# EAGLE board Mk4 Final a Panel score (EAGLE 9.0.1), part 13 of 24 (continued)
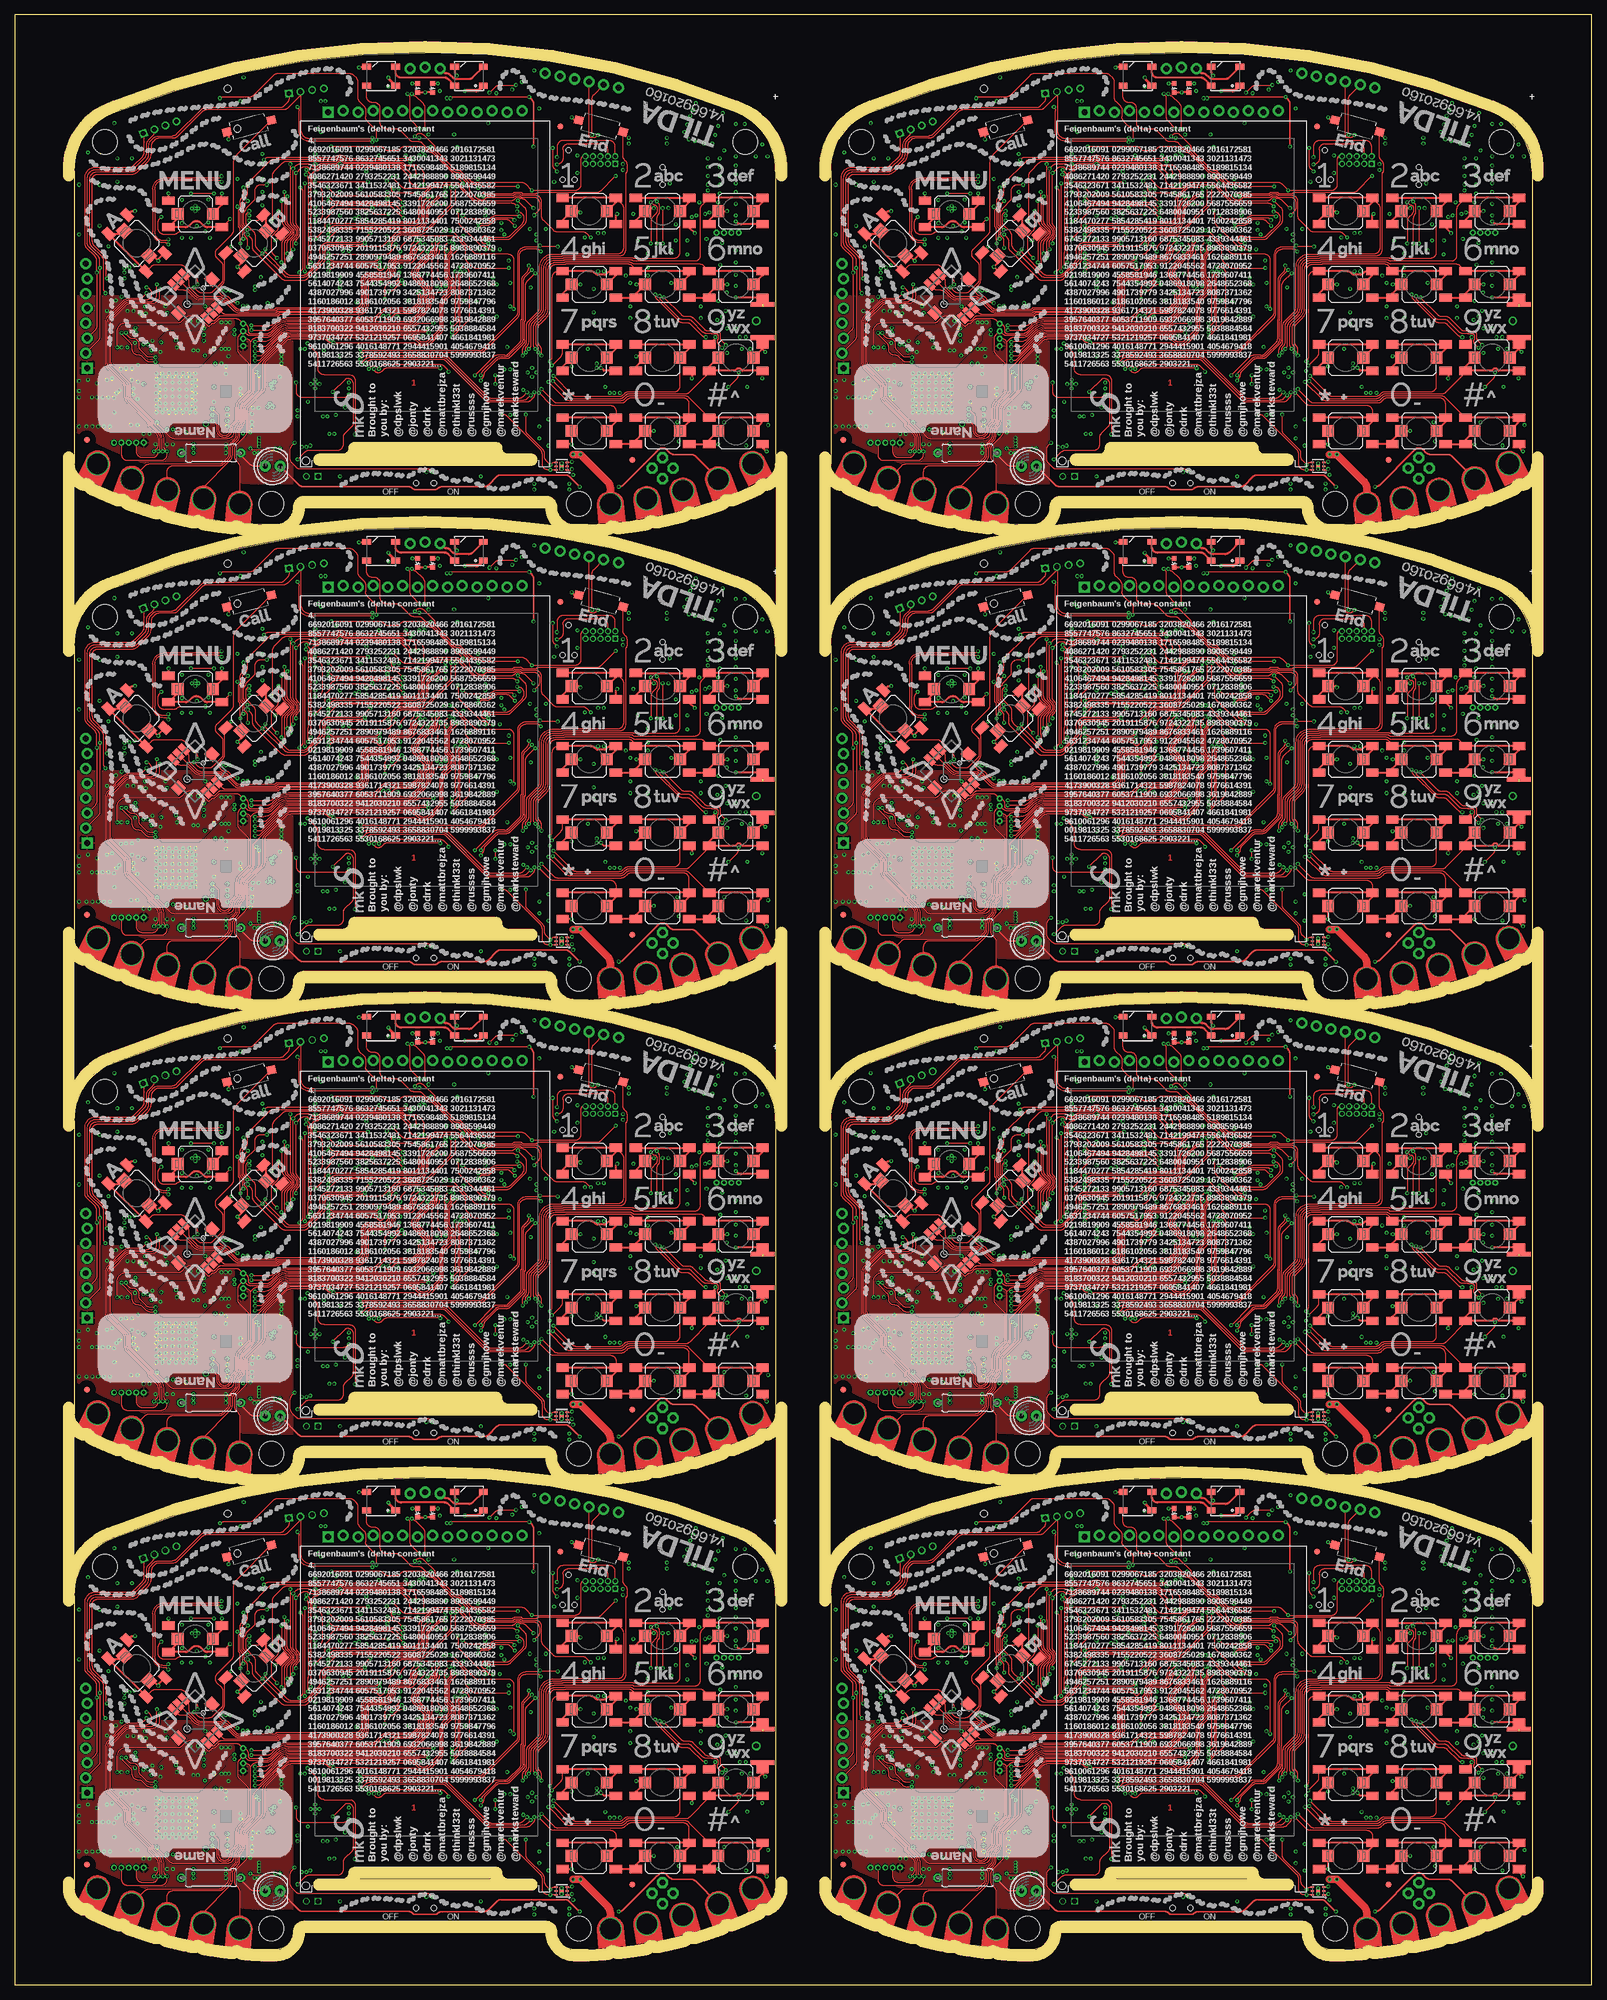
[diagram p0: board, top side]
## Tracks (layer width: path | path; a pad name or v marks a point on that pad's centre or on a via) (continued)
I2C4_SCL7  (via drill 0.3)
  Top 0.15: v203,275.1 203,275.3 202.29,276.01 arc45 201.59,276.3 192.21,276.3 arc45 191.51,276.01 v191.1,275.6 190.78,275.92 arc90 189.72,275.92 v189.4,275.6 | v216.2,267.8 216.2,265.14 arc45 216.49,264.43 219.01,261.92 arc-45 219.3,261.21 219.3,260.71 arc45 219.59,260.01 v220.35,259.25 220.46,259.36 arc-45 221.16,259.65 IC142.4
  3V3@2 0.15: v186,295.7 185.3,296.4 185.3,300.8 185.55,301.05 185.55,303.55 186,304 188,304 190.4,306.4 192.95,306.4 193.5,305.85 194.05,305.85 194.5,306.3 v194.5,306.4
  Bottom 0.15: IC132.5 181,275.3 arc-90 182,276.3 184.38,276.3 arc-45 185.27,275.93 185.51,275.69 arc45 186.21,275.4 189.12,275.4 arc45 189.26,275.46 v189.4,275.6 | IC139.19 213.75,273.75 | IC140.1 215.25,270.5 215.28,270.52 | 215.28,270.52 arc90 215.28,271.23 214.04,272.46 arc-45 213.75,273.16 213.75,273.75 | 213.75,273.75 211.16,273.75 arc-45 210.46,274.04 209.69,274.81 arc45 208.99,275.1 v203,275.1 | v191.1,275.6 190.7,276 190.7,279.38 arc45 190.33,280.27 185.99,284.61 arc-45 185.7,285.31 185.7,294.99 arc-45 v185.99,295.69 v186,295.7 186.05,295.75 R572.1 | v216.2,267.8 216.2,269.39 arc45 216.05,269.75 215.28,270.52 | IC128.61 193.69,307 arc-45 194.05,306.85 v194.5,306.4 | IC143.6 219.72,257.88 arc45 219.7,257.95 219.63,258.02 arc-45 219.6,258.09 219.6,258.29 arc-45 219.75,258.65 v220.35,259.25
I2C4_SDA  (via drill 0.3)
  Top 0.15: v82,30 v82,31.5 | v72.58,32.7 63.54,32.7 arc45 62.83,32.41 62.55,32.13 arc-45 62,31.9 arc-90 v61.3,32.6 | IC17.6 v91.35,15.35 91,15.35 arc-90 90,16.35 90,18.09 arc45 89.71,18.79 83.99,24.51 arc45 83.29,24.8 v82.8,24.8
  3V3@2 0.15: v56,52.7 56,58 56.25,58.25 56.25,60.75 57,61.5 59,61.5 61.25,63.75 64.35,63.75 v64.7,63.4
  Bottom 0.15: IC8.6 arc-90 53.45,33 55.36,33 arc-45 56.07,32.71 56.31,32.47 arc45 57.19,32.1 59.82,32.1 arc-45 59.96,32.04 60.04,31.96 arc45 60.18,31.9 60.6,31.9 arc90 v61.3,32.6 61.4,32.7 61.4,36.34 arc45 61.11,37.04 56.69,41.46 arc-45 56.4,42.16 56.4,51.89 arc45 56.11,52.59 v56,52.7 arc45 56.1,52.94 56.1,53.7 R21.1 | IC4.20 84.92,31.25 84.89,31.23 82.66,31.23 arc-45 v82,31.5 81.39,32.11 arc45 80.69,32.4 74.71,32.4 arc-45 74.35,32.55 74.35,32.55 arc45 73.99,32.7 v72.58,32.7 | IC16.6 84.16,27.5 arc-45 83.46,27.79 82.8,28.45 | 82.8,28.45 82.29,28.96 arc-45 82,29.66 v82,30 | v82.8,24.8 82.8,28.45 | IC1.60 64.29,63.6 arc-45 64.65,63.45 v64.7,63.4 | IC3.1 93.47,14.06 arc45 93.18,14.77 92.89,15.06 arc45 92.19,15.35 v91.35,15.35
I2C4_SDA1  (via drill 0.3)
  Top 0.15: v211,30 v211,31.5 | v201.58,32.7 192.54,32.7 arc45 191.83,32.41 191.56,32.13 arc-45 191,31.9 arc-90 v190.3,32.6 | IC34.6 v220.35,15.35 220,15.35 arc-90 219,16.35 219,18.09 arc45 218.71,18.79 212.99,24.51 arc45 212.29,24.8 v211.8,24.8
  3V3@2 0.15: v185,52.7 185,58 185.25,58.25 185.25,60.75 186,61.5 188,61.5 190.25,63.75 193.35,63.75 v193.7,63.4
  Bottom 0.15: IC24.6 arc-90 182.45,33 184.36,33 arc-45 185.07,32.71 185.31,32.47 arc45 186.19,32.1 188.82,32.1 arc-45 188.96,32.04 189.04,31.96 arc45 189.18,31.9 189.6,31.9 arc90 v190.3,32.6 190.4,32.7 190.4,36.34 arc45 190.11,37.04 185.69,41.46 arc-45 185.4,42.16 185.4,51.89 arc45 185.11,52.59 v185,52.7 arc45 185.1,52.94 185.1,53.7 R103.1 | IC31.20 213.92,31.25 213.89,31.23 211.66,31.23 arc-45 v211,31.5 210.39,32.11 arc45 209.69,32.4 203.71,32.4 arc-45 203.35,32.55 203.35,32.55 arc45 202.99,32.7 v201.58,32.7 | IC32.6 213.16,27.5 arc-45 212.46,27.79 211.8,28.45 | 211.8,28.45 211.29,28.96 arc-45 211,29.66 v211,30 | v211.8,24.8 211.8,28.45 | IC20.60 193.29,63.6 arc-45 193.65,63.45 v193.7,63.4 | IC35.1 222.47,14.06 arc45 222.18,14.77 221.89,15.06 arc45 221.19,15.35 v220.35,15.35
I2C4_SDA2  (via drill 0.3)
  Top 0.15: v82,111 v82,112.5 | v72.58,113.7 63.54,113.7 arc45 62.83,113.41 62.55,113.13 arc-45 62,112.9 arc-90 v61.3,113.6 | IC52.6 v91.35,96.35 91,96.35 arc-90 90,97.35 90,99.09 arc45 89.71,99.79 83.99,105.51 arc45 83.29,105.8 v82.8,105.8
  3V3@2 0.15: v56,133.7 56,139 56.25,139.25 56.25,141.75 57,142.5 59,142.5 61.25,144.75 64.35,144.75 v64.7,144.4
  Bottom 0.15: IC42.6 arc-90 53.45,114 55.36,114 arc-45 56.07,113.71 56.31,113.47 arc45 57.19,113.1 59.82,113.1 arc-45 59.96,113.04 60.04,112.96 arc45 60.18,112.9 60.6,112.9 arc90 v61.3,113.6 61.4,113.7 61.4,117.34 arc45 61.11,118.04 56.69,122.46 arc-45 56.4,123.16 56.4,132.89 arc45 56.11,133.59 v56,133.7 arc45 56.1,133.94 56.1,134.7 R181.1 | IC49.20 84.92,112.25 84.89,112.22 82.66,112.22 arc-45 v82,112.5 81.39,113.11 arc45 80.69,113.4 74.71,113.4 arc-45 74.35,113.55 74.35,113.55 arc45 73.99,113.7 v72.58,113.7 | IC50.6 84.16,108.5 arc-45 83.46,108.79 82.8,109.45 | 82.8,109.45 82.29,109.96 arc-45 82,110.66 v82,111 | v82.8,105.8 82.8,109.45 | IC38.60 64.29,144.6 arc-45 64.65,144.45 v64.7,144.4 | IC53.1 93.47,95.06 arc45 93.18,95.77 92.89,96.06 arc45 92.19,96.35 v91.35,96.35
I2C4_SDA3  (via drill 0.3)
  Top 0.15: v211,111 v211,112.5 | v201.58,113.7 192.54,113.7 arc45 191.83,113.41 191.56,113.13 arc-45 191,112.9 arc-90 v190.3,113.6 | IC70.6 v220.35,96.35 220,96.35 arc-90 219,97.35 219,99.09 arc45 218.71,99.79 212.99,105.51 arc45 212.29,105.8 v211.8,105.8
  3V3@2 0.15: v185,133.7 185,139 185.25,139.25 185.25,141.75 186,142.5 188,142.5 190.25,144.75 193.35,144.75 v193.7,144.4
  Bottom 0.15: IC60.6 arc-90 182.45,114 184.36,114 arc-45 185.07,113.71 185.31,113.47 arc45 186.19,113.1 188.82,113.1 arc-45 188.96,113.04 189.04,112.96 arc45 189.18,112.9 189.6,112.9 arc90 v190.3,113.6 190.4,113.7 190.4,117.34 arc45 190.11,118.04 185.69,122.46 arc-45 185.4,123.16 185.4,132.89 arc45 185.11,133.59 v185,133.7 arc45 185.1,133.94 185.1,134.7 R259.1 | IC67.20 213.92,112.25 213.89,112.22 211.66,112.22 arc-45 v211,112.5 210.39,113.11 arc45 209.69,113.4 203.71,113.4 arc-45 203.35,113.55 203.35,113.55 arc45 202.99,113.7 v201.58,113.7 | IC68.6 213.16,108.5 arc-45 212.46,108.79 211.8,109.45 | 211.8,109.45 211.29,109.96 arc-45 211,110.66 v211,111 | v211.8,105.8 211.8,109.45 | IC56.60 193.29,144.6 arc-45 193.65,144.45 v193.7,144.4 | IC71.1 222.47,95.06 arc45 222.18,95.77 221.89,96.06 arc45 221.19,96.35 v220.35,96.35
I2C4_SDA4  (via drill 0.3)
  Top 0.15: v82,192 v82,193.5 | v72.58,194.7 63.54,194.7 arc45 62.83,194.41 62.55,194.13 arc-45 62,193.9 arc-90 v61.3,194.6 | IC88.6 v91.35,177.35 91,177.35 arc-90 90,178.35 90,180.09 arc45 89.71,180.79 83.99,186.51 arc45 83.29,186.8 v82.8,186.8
  3V3@2 0.15: v56,214.7 56,220 56.25,220.25 56.25,222.75 57,223.5 59,223.5 61.25,225.75 64.35,225.75 v64.7,225.4
  Bottom 0.15: IC78.6 arc-90 53.45,195 55.36,195 arc-45 56.07,194.71 56.31,194.47 arc45 57.19,194.1 59.82,194.1 arc-45 59.96,194.04 60.04,193.96 arc45 60.18,193.9 60.6,193.9 arc90 v61.3,194.6 61.4,194.7 61.4,198.34 arc45 61.11,199.04 56.69,203.46 arc-45 56.4,204.16 56.4,213.89 arc45 56.11,214.59 v56,214.7 arc45 56.1,214.94 56.1,215.7 R337.1 | IC85.20 84.92,193.25 84.89,193.22 82.66,193.22 arc-45 v82,193.5 81.39,194.11 arc45 80.69,194.4 74.71,194.4 arc-45 74.35,194.55 74.35,194.55 arc45 73.99,194.7 v72.58,194.7 | IC86.6 84.16,189.5 arc-45 83.46,189.79 82.8,190.45 | 82.8,190.45 82.29,190.96 arc-45 82,191.66 v82,192 | v82.8,186.8 82.8,190.45 | IC74.60 64.29,225.6 arc-45 64.65,225.45 v64.7,225.4 | IC89.1 93.47,176.06 arc45 93.18,176.77 92.89,177.06 arc45 92.19,177.35 v91.35,177.35
I2C4_SDA5  (via drill 0.3)
  Top 0.15: v211,192 v211,193.5 | v201.58,194.7 192.54,194.7 arc45 191.83,194.41 191.56,194.13 arc-45 191,193.9 arc-90 v190.3,194.6 | IC106.6 v220.35,177.35 220,177.35 arc-90 219,178.35 219,180.09 arc45 218.71,180.79 212.99,186.51 arc45 212.29,186.8 v211.8,186.8
  3V3@2 0.15: v185,214.7 185,220 185.25,220.25 185.25,222.75 186,223.5 188,223.5 190.25,225.75 193.35,225.75 v193.7,225.4
  Bottom 0.15: IC96.6 arc-90 182.45,195 184.36,195 arc-45 185.07,194.71 185.31,194.47 arc45 186.19,194.1 188.82,194.1 arc-45 188.96,194.04 189.04,193.96 arc45 189.18,193.9 189.6,193.9 arc90 v190.3,194.6 190.4,194.7 190.4,198.34 arc45 190.11,199.04 185.69,203.46 arc-45 185.4,204.16 185.4,213.89 arc45 185.11,214.59 v185,214.7 arc45 185.1,214.94 185.1,215.7 R415.1 | IC103.20 213.92,193.25 213.89,193.22 211.66,193.22 arc-45 v211,193.5 210.39,194.11 arc45 209.69,194.4 203.71,194.4 arc-45 203.35,194.55 203.35,194.55 arc45 202.99,194.7 v201.58,194.7 | IC104.6 213.16,189.5 arc-45 212.46,189.79 211.8,190.45 | 211.8,190.45 211.29,190.96 arc-45 211,191.66 v211,192 | v211.8,186.8 211.8,190.45 | IC92.60 193.29,225.6 arc-45 193.65,225.45 v193.7,225.4 | IC107.1 222.47,176.06 arc45 222.18,176.77 221.89,177.06 arc45 221.19,177.35 v220.35,177.35
I2C4_SDA6  (via drill 0.3)
  Top 0.15: v82,273 v82,274.5 | v72.58,275.7 63.54,275.7 arc45 62.83,275.41 62.55,275.13 arc-45 62,274.9 arc-90 v61.3,275.6 | IC124.6 v91.35,258.35 91,258.35 arc-90 90,259.35 90,261.09 arc45 89.71,261.79 83.99,267.51 arc45 83.29,267.8 v82.8,267.8
  3V3@2 0.15: v56,295.7 56,301 56.25,301.25 56.25,303.75 57,304.5 59,304.5 61.25,306.75 64.35,306.75 v64.7,306.4
  Bottom 0.15: IC114.6 arc-90 53.45,276 55.36,276 arc-45 56.07,275.71 56.31,275.47 arc45 57.19,275.1 59.82,275.1 arc-45 59.96,275.04 60.04,274.96 arc45 60.18,274.9 60.6,274.9 arc90 v61.3,275.6 61.4,275.7 61.4,279.34 arc45 61.11,280.04 56.69,284.46 arc-45 56.4,285.16 56.4,294.89 arc45 56.11,295.59 v56,295.7 arc45 56.1,295.94 56.1,296.7 R493.1 | IC121.20 84.92,274.25 84.89,274.23 82.66,274.23 arc-45 v82,274.5 81.39,275.11 arc45 80.69,275.4 74.71,275.4 arc-45 74.35,275.55 74.35,275.55 arc45 73.99,275.7 v72.58,275.7 | IC122.6 84.16,270.5 arc-45 83.46,270.79 82.8,271.45 | 82.8,271.45 82.29,271.96 arc-45 82,272.66 v82,273 | v82.8,267.8 82.8,271.45 | IC110.60 64.29,306.6 arc-45 64.65,306.45 v64.7,306.4 | IC125.1 93.47,257.06 arc45 93.18,257.77 92.89,258.06 arc45 92.19,258.35 v91.35,258.35
I2C4_SDA7  (via drill 0.3)
  Top 0.15: v211,273 v211,274.5 | v201.58,275.7 192.54,275.7 arc45 191.83,275.41 191.56,275.13 arc-45 191,274.9 arc-90 v190.3,275.6 | IC142.6 v220.35,258.35 220,258.35 arc-90 219,259.35 219,261.09 arc45 218.71,261.79 212.99,267.51 arc45 212.29,267.8 v211.8,267.8
  3V3@2 0.15: v185,295.7 185,301 185.25,301.25 185.25,303.75 186,304.5 188,304.5 190.25,306.75 193.35,306.75 v193.7,306.4
  Bottom 0.15: IC132.6 arc-90 182.45,276 184.36,276 arc-45 185.07,275.71 185.31,275.47 arc45 186.19,275.1 188.82,275.1 arc-45 188.96,275.04 189.04,274.96 arc45 189.18,274.9 189.6,274.9 arc90 v190.3,275.6 190.4,275.7 190.4,279.34 arc45 190.11,280.04 185.69,284.46 arc-45 185.4,285.16 185.4,294.89 arc45 185.11,295.59 v185,295.7 arc45 185.1,295.94 185.1,296.7 R571.1 | IC139.20 213.92,274.25 213.89,274.23 211.66,274.23 arc-45 v211,274.5 210.39,275.11 arc45 209.69,275.4 203.71,275.4 arc-45 203.35,275.55 203.35,275.55 arc45 202.99,275.7 v201.58,275.7 | IC140.6 213.16,270.5 arc-45 212.46,270.79 211.8,271.45 | 211.8,271.45 211.29,271.96 arc-45 211,272.66 v211,273 | v211.8,267.8 211.8,271.45 | IC128.60 193.29,306.6 arc-45 193.65,306.45 v193.7,306.4 | IC143.1 222.47,257.06 arc45 222.18,257.77 221.89,258.06 arc45 221.19,258.35 v220.35,258.35
I2C5_EXT_SCL  (via drill 0.3)
  Top 0.2: J8.1 46.78,78.69 arc-45 46.49,77.99 45.89,77.39 arc-45 45.19,77.1 32.62,77.1 arc45 31.73,76.73 27.59,72.59 arc-45 26.89,72.3 24.52,72.3 arc45 23.63,71.93 23.27,71.57 arc45 22.9,70.68 22.9,69.27 arc-45 22.46,68.21 20.89,66.64 arc-45 19.83,66.2 14.05,66.2 arc90 12.8,64.95 12.8,54.21 arc45 13.09,53.51 14.81,51.79 arc-45 15.1,51.09 15.1,46.31 arc45 15.39,45.61 v15.5,45.5 | v48.25,77.25 arc-45 48.5,76.65 48.5,73.15 arc90 50.25,71.4 60.85,71.4 v61,71.25
  3V3@2 0.15: v61,71.25 61,68 61.5,67.5 66.02,67.5 66.6,66.92 66.6,64.32 68.28,62.65 68.28,62.38 68.58,62.08 68.85,62.08 74.1,56.82 v74.1,56.2
  Bottom 0.15: IC1.121 76.89,55.6 76.86,55.63 arc45 76.51,55.77 76.38,55.77 arc-45 75.67,56.07 75.21,56.53 arc45 74.86,56.67 74.78,56.67 arc45 74.43,56.53 v74.1,56.2
  Bottom 0.2: IC1.121 78.79,55.6 arc-45 79.15,55.45 79.25,55.35 arc45 79.61,55.2 80.27,55.2 arc-45 80.62,55.05 81.35,54.33 81.35,54.15 R24.1 82.2,53.3 82.2,52.95 arc45 82.33,52.63 arc-45 82.62,51.92 82.62,47.82 arc45 82.92,47.11 83.41,46.62 arc45 84.12,46.33 85.76,46.33 arc-45 86.47,46.03 92.38,40.12 arc-45 92.75,39.23 92.75,33.33 arc45 93.19,32.27 98,27.46 arc45 99.06,27.02 102.66,27.02 arc-45 103.54,26.66 107.11,23.09 arc-45 107.4,22.39 107.4,15.9 107.4,15.51 | JP6.6 15.45,45.45 v15.5,45.5 | PCB.SCL 107.8,11 107.4,11.4 107.4,15.51 | J8.1 47,79.36 47,78.91 arc45 47.29,78.21 v48.25,77.25 | J11.3 109.06,13.85 arc-45 108.35,14.15 107.69,14.81 arc-45 107.4,15.51
  Bottom 0.3: PCB.SCL 108.25,10.84 | J8.5 J8.1
I2C5_EXT_SCL1  (via drill 0.3)
  Top 0.2: J18.1 175.78,78.69 arc-45 175.49,77.99 174.89,77.39 arc-45 174.19,77.1 161.62,77.1 arc45 160.73,76.73 156.59,72.59 arc-45 155.89,72.3 153.52,72.3 arc45 152.63,71.93 152.27,71.57 arc45 151.9,70.68 151.9,69.27 arc-45 151.46,68.21 149.89,66.64 arc-45 148.83,66.2 143.05,66.2 arc90 141.8,64.95 141.8,54.21 arc45 142.09,53.51 143.81,51.79 arc-45 144.1,51.09 144.1,46.31 arc45 144.39,45.61 v144.5,45.5 | v177.25,77.25 arc-45 177.5,76.65 177.5,73.15 arc90 179.25,71.4 189.85,71.4 v190,71.25
  3V3@2 0.15: v190,71.25 190,68 190.5,67.5 195.02,67.5 195.6,66.92 195.6,64.32 197.28,62.65 197.28,62.38 197.58,62.08 197.85,62.08 203.1,56.82 v203.1,56.2
  Bottom 0.15: IC20.121 205.89,55.6 205.86,55.63 arc45 205.51,55.77 205.38,55.77 arc-45 204.68,56.07 204.21,56.53 arc45 203.86,56.67 203.78,56.67 arc45 203.43,56.53 v203.1,56.2
  Bottom 0.2: IC20.121 207.79,55.6 arc-45 208.15,55.45 208.25,55.35 arc45 208.61,55.2 209.27,55.2 arc-45 209.62,55.05 210.35,54.33 210.35,54.15 R106.1 211.2,53.3 211.2,52.95 arc45 211.33,52.63 arc-45 211.62,51.92 211.62,47.82 arc45 211.92,47.11 212.41,46.62 arc45 213.12,46.33 214.76,46.33 arc-45 215.47,46.03 221.38,40.12 arc-45 221.75,39.23 221.75,33.33 arc45 222.19,32.27 227,27.46 arc45 228.06,27.02 231.66,27.02 arc-45 232.54,26.66 236.11,23.09 arc-45 236.4,22.39 236.4,15.9 236.4,15.51 | JP17.6 144.45,45.45 v144.5,45.5 | PCB1.SCL 236.8,11 236.4,11.4 236.4,15.51 | J18.1 176,79.36 176,78.91 arc45 176.29,78.21 v177.25,77.25 | J20.3 238.06,13.85 arc-45 237.35,14.15 236.69,14.81 arc-45 236.4,15.51
  Bottom 0.3: PCB1.SCL 237.25,10.84 | J18.5 J18.1
I2C5_EXT_SCL2  (via drill 0.3)
  Top 0.2: J28.1 46.78,159.69 arc-45 46.49,158.99 45.89,158.39 arc-45 45.19,158.1 32.62,158.1 arc45 31.73,157.73 27.59,153.59 arc-45 26.89,153.3 24.52,153.3 arc45 23.63,152.93 23.27,152.57 arc45 22.9,151.68 22.9,150.27 arc-45 22.46,149.21 20.89,147.64 arc-45 19.83,147.2 14.05,147.2 arc90 12.8,145.95 12.8,135.21 arc45 13.09,134.51 14.81,132.79 arc-45 15.1,132.09 15.1,127.31 arc45 15.39,126.61 v15.5,126.5 | v48.25,158.25 arc-45 48.5,157.65 48.5,154.15 arc90 50.25,152.4 60.85,152.4 v61,152.25
  3V3@2 0.15: v61,152.25 61,149 61.5,148.5 66.02,148.5 66.6,147.92 66.6,145.32 68.28,143.65 68.28,143.38 68.58,143.07 68.85,143.07 74.1,137.82 v74.1,137.2
  Bottom 0.15: IC38.121 76.89,136.6 76.86,136.63 arc45 76.51,136.78 76.38,136.78 arc-45 75.67,137.07 75.21,137.53 arc45 74.86,137.68 74.78,137.68 arc45 74.43,137.53 v74.1,137.2
  Bottom 0.2: IC38.121 78.79,136.6 arc-45 79.15,136.45 79.25,136.35 arc45 79.61,136.2 80.27,136.2 arc-45 80.62,136.05 81.35,135.33 81.35,135.15 R184.1 82.2,134.3 82.2,133.95 arc45 82.33,133.63 arc-45 82.62,132.92 82.62,128.82 arc45 82.92,128.11 83.41,127.62 arc45 84.12,127.33 85.76,127.33 arc-45 86.47,127.03 92.38,121.12 arc-45 92.75,120.23 92.75,114.33 arc45 93.19,113.27 98,108.46 arc45 99.06,108.03 102.66,108.03 arc-45 103.54,107.66 107.11,104.09 arc-45 107.4,103.39 107.4,96.9 107.4,96.51 | JP26.6 15.45,126.45 v15.5,126.5 | PCB2.SCL 107.8,92 107.4,92.4 107.4,96.51 | J28.1 47,160.36 47,159.91 arc45 47.29,159.21 v48.25,158.25 | J30.3 109.06,94.85 arc-45 108.35,95.15 107.69,95.81 arc-45 107.4,96.51
  Bottom 0.3: PCB2.SCL 108.25,91.84 | J28.5 J28.1
I2C5_EXT_SCL3  (via drill 0.3)
  Top 0.2: J38.1 175.78,159.69 arc-45 175.49,158.99 174.89,158.39 arc-45 174.19,158.1 161.62,158.1 arc45 160.73,157.73 156.59,153.59 arc-45 155.89,153.3 153.52,153.3 arc45 152.63,152.93 152.27,152.57 arc45 151.9,151.68 151.9,150.27 arc-45 151.46,149.21 149.89,147.64 arc-45 148.83,147.2 143.05,147.2 arc90 141.8,145.95 141.8,135.21 arc45 142.09,134.51 143.81,132.79 arc-45 144.1,132.09 144.1,127.31 arc45 144.39,126.61 v144.5,126.5 | v177.25,158.25 arc-45 177.5,157.65 177.5,154.15 arc90 179.25,152.4 189.85,152.4 v190,152.25
  3V3@2 0.15: v190,152.25 190,149 190.5,148.5 195.02,148.5 195.6,147.92 195.6,145.32 197.28,143.65 197.28,143.38 197.58,143.07 197.85,143.07 203.1,137.82 v203.1,137.2
  Bottom 0.15: IC56.121 205.89,136.6 205.86,136.63 arc45 205.51,136.78 205.38,136.78 arc-45 204.68,137.07 204.21,137.53 arc45 203.86,137.68 203.78,137.68 arc45 203.43,137.53 v203.1,137.2
  Bottom 0.2: IC56.121 207.79,136.6 arc-45 208.15,136.45 208.25,136.35 arc45 208.61,136.2 209.27,136.2 arc-45 209.62,136.05 210.35,135.33 210.35,135.15 R262.1 211.2,134.3 211.2,133.95 arc45 211.33,133.63 arc-45 211.62,132.92 211.62,128.82 arc45 211.92,128.11 212.41,127.62 arc45 213.12,127.33 214.76,127.33 arc-45 215.47,127.03 221.38,121.12 arc-45 221.75,120.23 221.75,114.33 arc45 222.19,113.27 227,108.46 arc45 228.06,108.03 231.66,108.03 arc-45 232.54,107.66 236.11,104.09 arc-45 236.4,103.39 236.4,96.9 236.4,96.51 | JP35.6 144.45,126.45 v144.5,126.5 | PCB3.SCL 236.8,92 236.4,92.4 236.4,96.51 | J38.1 176,160.36 176,159.91 arc45 176.29,159.21 v177.25,158.25 | J40.3 238.06,94.85 arc-45 237.35,95.15 236.69,95.81 arc-45 236.4,96.51
  Bottom 0.3: PCB3.SCL 237.25,91.84 | J38.5 J38.1
I2C5_EXT_SCL4  (via drill 0.3)
  Top 0.2: J48.1 46.78,240.69 arc-45 46.49,239.99 45.89,239.39 arc-45 45.19,239.1 32.62,239.1 arc45 31.73,238.73 27.59,234.59 arc-45 26.89,234.3 24.52,234.3 arc45 23.63,233.93 23.27,233.57 arc45 22.9,232.68 22.9,231.27 arc-45 22.46,230.21 20.89,228.64 arc-45 19.83,228.2 14.05,228.2 arc90 12.8,226.95 12.8,216.21 arc45 13.09,215.51 14.81,213.79 arc-45 15.1,213.09 15.1,208.31 arc45 15.39,207.61 v15.5,207.5 | v48.25,239.25 arc-45 48.5,238.65 48.5,235.15 arc90 50.25,233.4 60.85,233.4 v61,233.25
  3V3@2 0.15: v61,233.25 61,230 61.5,229.5 66.02,229.5 66.6,228.92 66.6,226.32 68.28,224.65 68.28,224.38 68.58,224.07 68.85,224.07 74.1,218.82 v74.1,218.2
  Bottom 0.15: IC74.121 76.89,217.6 76.86,217.63 arc45 76.51,217.78 76.38,217.78 arc-45 75.67,218.07 75.21,218.53 arc45 74.86,218.68 74.78,218.68 arc45 74.43,218.53 v74.1,218.2
  Bottom 0.2: IC74.121 78.79,217.6 arc-45 79.15,217.45 79.25,217.35 arc45 79.61,217.2 80.27,217.2 arc-45 80.62,217.05 81.35,216.33 81.35,216.15 R340.1 82.2,215.3 82.2,214.95 arc45 82.33,214.63 arc-45 82.62,213.92 82.62,209.82 arc45 82.92,209.11 83.41,208.62 arc45 84.12,208.32 85.76,208.32 arc-45 86.47,208.03 92.38,202.12 arc-45 92.75,201.23 92.75,195.33 arc45 93.19,194.27 98,189.46 arc45 99.06,189.03 102.66,189.03 arc-45 103.54,188.66 107.11,185.09 arc-45 107.4,184.39 107.4,177.9 107.4,177.51 | JP44.6 15.45,207.45 v15.5,207.5 | PCB4.SCL 107.8,173 107.4,173.4 107.4,177.51 | J48.1 47,241.36 47,240.91 arc45 47.29,240.21 v48.25,239.25 | J50.3 109.06,175.85 arc-45 108.35,176.15 107.69,176.81 arc-45 107.4,177.51
  Bottom 0.3: PCB4.SCL 108.25,172.84 | J48.5 J48.1
I2C5_EXT_SCL5  (via drill 0.3)
  Top 0.2: J58.1 175.78,240.69 arc-45 175.49,239.99 174.89,239.39 arc-45 174.19,239.1 161.62,239.1 arc45 160.73,238.73 156.59,234.59 arc-45 155.89,234.3 153.52,234.3 arc45 152.63,233.93 152.27,233.57 arc45 151.9,232.68 151.9,231.27 arc-45 151.46,230.21 149.89,228.64 arc-45 148.83,228.2 143.05,228.2 arc90 141.8,226.95 141.8,216.21 arc45 142.09,215.51 143.81,213.79 arc-45 144.1,213.09 144.1,208.31 arc45 144.39,207.61 v144.5,207.5 | v177.25,239.25 arc-45 177.5,238.65 177.5,235.15 arc90 179.25,233.4 189.85,233.4 v190,233.25
  3V3@2 0.15: v190,233.25 190,230 190.5,229.5 195.02,229.5 195.6,228.92 195.6,226.32 197.28,224.65 197.28,224.38 197.58,224.07 197.85,224.07 203.1,218.82 v203.1,218.2
  Bottom 0.15: IC92.121 205.89,217.6 205.86,217.63 arc45 205.51,217.78 205.38,217.78 arc-45 204.68,218.07 204.21,218.53 arc45 203.86,218.68 203.78,218.68 arc45 203.43,218.53 v203.1,218.2
  Bottom 0.2: IC92.121 207.79,217.6 arc-45 208.15,217.45 208.25,217.35 arc45 208.61,217.2 209.27,217.2 arc-45 209.62,217.05 210.35,216.33 210.35,216.15 R418.1 211.2,215.3 211.2,214.95 arc45 211.33,214.63 arc-45 211.62,213.92 211.62,209.82 arc45 211.92,209.11 212.41,208.62 arc45 213.12,208.32 214.76,208.32 arc-45 215.47,208.03 221.38,202.12 arc-45 221.75,201.23 221.75,195.33 arc45 222.19,194.27 227,189.46 arc45 228.06,189.03 231.66,189.03 arc-45 232.54,188.66 236.11,185.09 arc-45 236.4,184.39 236.4,177.9 236.4,177.51 | JP53.6 144.45,207.45 v144.5,207.5 | PCB5.SCL 236.8,173 236.4,173.4 236.4,177.51 | J58.1 176,241.36 176,240.91 arc45 176.29,240.21 v177.25,239.25 | J60.3 238.06,175.85 arc-45 237.35,176.15 236.69,176.81 arc-45 236.4,177.51
  Bottom 0.3: PCB5.SCL 237.25,172.84 | J58.5 J58.1
I2C5_EXT_SCL6  (via drill 0.3)
  Top 0.2: J68.1 46.78,321.69 arc-45 46.49,320.99 45.89,320.39 arc-45 45.19,320.1 32.62,320.1 arc45 31.73,319.73 27.59,315.59 arc-45 26.89,315.3 24.52,315.3 arc45 23.63,314.93 23.27,314.57 arc45 22.9,313.68 22.9,312.27 arc-45 22.46,311.21 20.89,309.64 arc-45 19.83,309.2 14.05,309.2 arc90 12.8,307.95 12.8,297.21 arc45 13.09,296.51 14.81,294.79 arc-45 15.1,294.09 15.1,289.31 arc45 15.39,288.61 v15.5,288.5 | v48.25,320.25 arc-45 48.5,319.65 48.5,316.15 arc90 50.25,314.4 60.85,314.4 v61,314.25
  3V3@2 0.15: v61,314.25 61,311 61.5,310.5 66.02,310.5 66.6,309.92 66.6,307.32 68.28,305.65 68.28,305.38 68.58,305.07 68.85,305.07 74.1,299.82 v74.1,299.2
  Bottom 0.15: IC110.121 76.89,298.6 76.86,298.63 arc45 76.51,298.77 76.38,298.77 arc-45 75.67,299.07 75.21,299.53 arc45 74.86,299.68 74.78,299.68 arc45 74.43,299.53 v74.1,299.2
  Bottom 0.2: IC110.121 78.79,298.6 arc-45 79.15,298.45 79.25,298.35 arc45 79.61,298.2 80.27,298.2 arc-45 80.62,298.05 81.35,297.33 81.35,297.15 R496.1 82.2,296.3 82.2,295.95 arc45 82.33,295.63 arc-45 82.62,294.92 82.62,290.82 arc45 82.92,290.11 83.41,289.62 arc45 84.12,289.32 85.76,289.32 arc-45 86.47,289.03 92.38,283.12 arc-45 92.75,282.23 92.75,276.33 arc45 93.19,275.27 98,270.46 arc45 99.06,270.02 102.66,270.02 arc-45 103.54,269.66 107.11,266.09 arc-45 107.4,265.39 107.4,258.9 107.4,258.51 | JP62.6 15.45,288.45 v15.5,288.5 | PCB6.SCL 107.8,254 107.4,254.4 107.4,258.51 | J68.1 47,322.36 47,321.91 arc45 47.29,321.21 v48.25,320.25 | J70.3 109.06,256.85 arc-45 108.35,257.15 107.69,257.81 arc-45 107.4,258.51
  Bottom 0.3: PCB6.SCL 108.25,253.84 | J68.5 J68.1
I2C5_EXT_SCL7  (via drill 0.3)
  Top 0.2: J78.1 175.78,321.69 arc-45 175.49,320.99 174.89,320.39 arc-45 174.19,320.1 161.62,320.1 arc45 160.73,319.73 156.59,315.59 arc-45 155.89,315.3 153.52,315.3 arc45 152.63,314.93 152.27,314.57 arc45 151.9,313.68 151.9,312.27 arc-45 151.46,311.21 149.89,309.64 arc-45 148.83,309.2 143.05,309.2 arc90 141.8,307.95 141.8,297.21 arc45 142.09,296.51 143.81,294.79 arc-45 144.1,294.09 144.1,289.31 arc45 144.39,288.61 v144.5,288.5 | v177.25,320.25 arc-45 177.5,319.65 177.5,316.15 arc90 179.25,314.4 189.85,314.4 v190,314.25
  3V3@2 0.15: v190,314.25 190,311 190.5,310.5 195.02,310.5 195.6,309.92 195.6,307.32 197.28,305.65 197.28,305.38 197.58,305.07 197.85,305.07 203.1,299.82 v203.1,299.2
  Bottom 0.15: IC128.121 205.89,298.6 205.86,298.63 arc45 205.51,298.77 205.38,298.77 arc-45 204.68,299.07 204.21,299.53 arc45 203.86,299.68 203.78,299.68 arc45 203.43,299.53 v203.1,299.2
  Bottom 0.2: IC128.121 207.79,298.6 arc-45 208.15,298.45 208.25,298.35 arc45 208.61,298.2 209.27,298.2 arc-45 209.62,298.05 210.35,297.33 210.35,297.15 R574.1 211.2,296.3 211.2,295.95 arc45 211.33,295.63 arc-45 211.62,294.92 211.62,290.82 arc45 211.92,290.11 212.41,289.62 arc45 213.12,289.32 214.76,289.32 arc-45 215.47,289.03 221.38,283.12 arc-45 221.75,282.23 221.75,276.33 arc45 222.19,275.27 227,270.46 arc45 228.06,270.02 231.66,270.02 arc-45 232.54,269.66 236.11,266.09 arc-45 236.4,265.39 236.4,258.9 236.4,258.51 | JP71.6 144.45,288.45 v144.5,288.5 | PCB7.SCL 236.8,254 236.4,254.4 236.4,258.51 | J78.1 176,322.36 176,321.91 arc45 176.29,321.21 v177.25,320.25 | J80.3 238.06,256.85 arc-45 237.35,257.15 236.69,257.81 arc-45 236.4,258.51
  Bottom 0.3: PCB7.SCL 237.25,253.84 | J78.5 J78.1
I2C5_EXT_SDA  (via drill 0.3)
  Top 0.2: v15.75,48 15.73,48.02 arc-45 15.5,48.57 15.5,51.24 arc45 15.21,51.94 13.49,53.66 arc-45 13.2,54.36 13.2,64.8 arc-90 14.2,65.8 19.88,65.8 arc45 21.11,66.31 22.79,67.99 arc45 23.3,69.22 23.3,70.64 arc-45 23.59,71.34 23.86,71.61 arc-45 24.56,71.9 26.93,71.9 arc45 27.82,72.27 32.01,76.46 arc-45 32.71,76.75 45.84,76.75 arc45 46.54,77.04 48.76,79.26 J8.2 48.76,79.24 48.9,79.1 48.9,73.3 arc90 50.4,71.8 60.8,71.8 v61,72
  3V3@2 0.15: v73.3,56.2 73.3,57.2 68.72,61.77 68.46,61.77 67.97,62.26 67.97,62.52 66.3,64.2 66.3,66.8 65.9,67.2 61.3,67.2 60.7,67.8 60.7,70.7 60.4,71 60.4,71.4 v61,72
  Bottom 0.15: IC1.120 76.92,56 arc-45 76.91,56 arc45 76.74,56.08 arc-45 76.03,56.37 75.72,56.68 arc45 75.01,56.98 74.49,56.98 arc45 73.78,56.68 v73.3,56.2